# Altium PCB BEAGLEPLAYV020_220915.brd.PcbDoc (part 2 of 12) (continued)
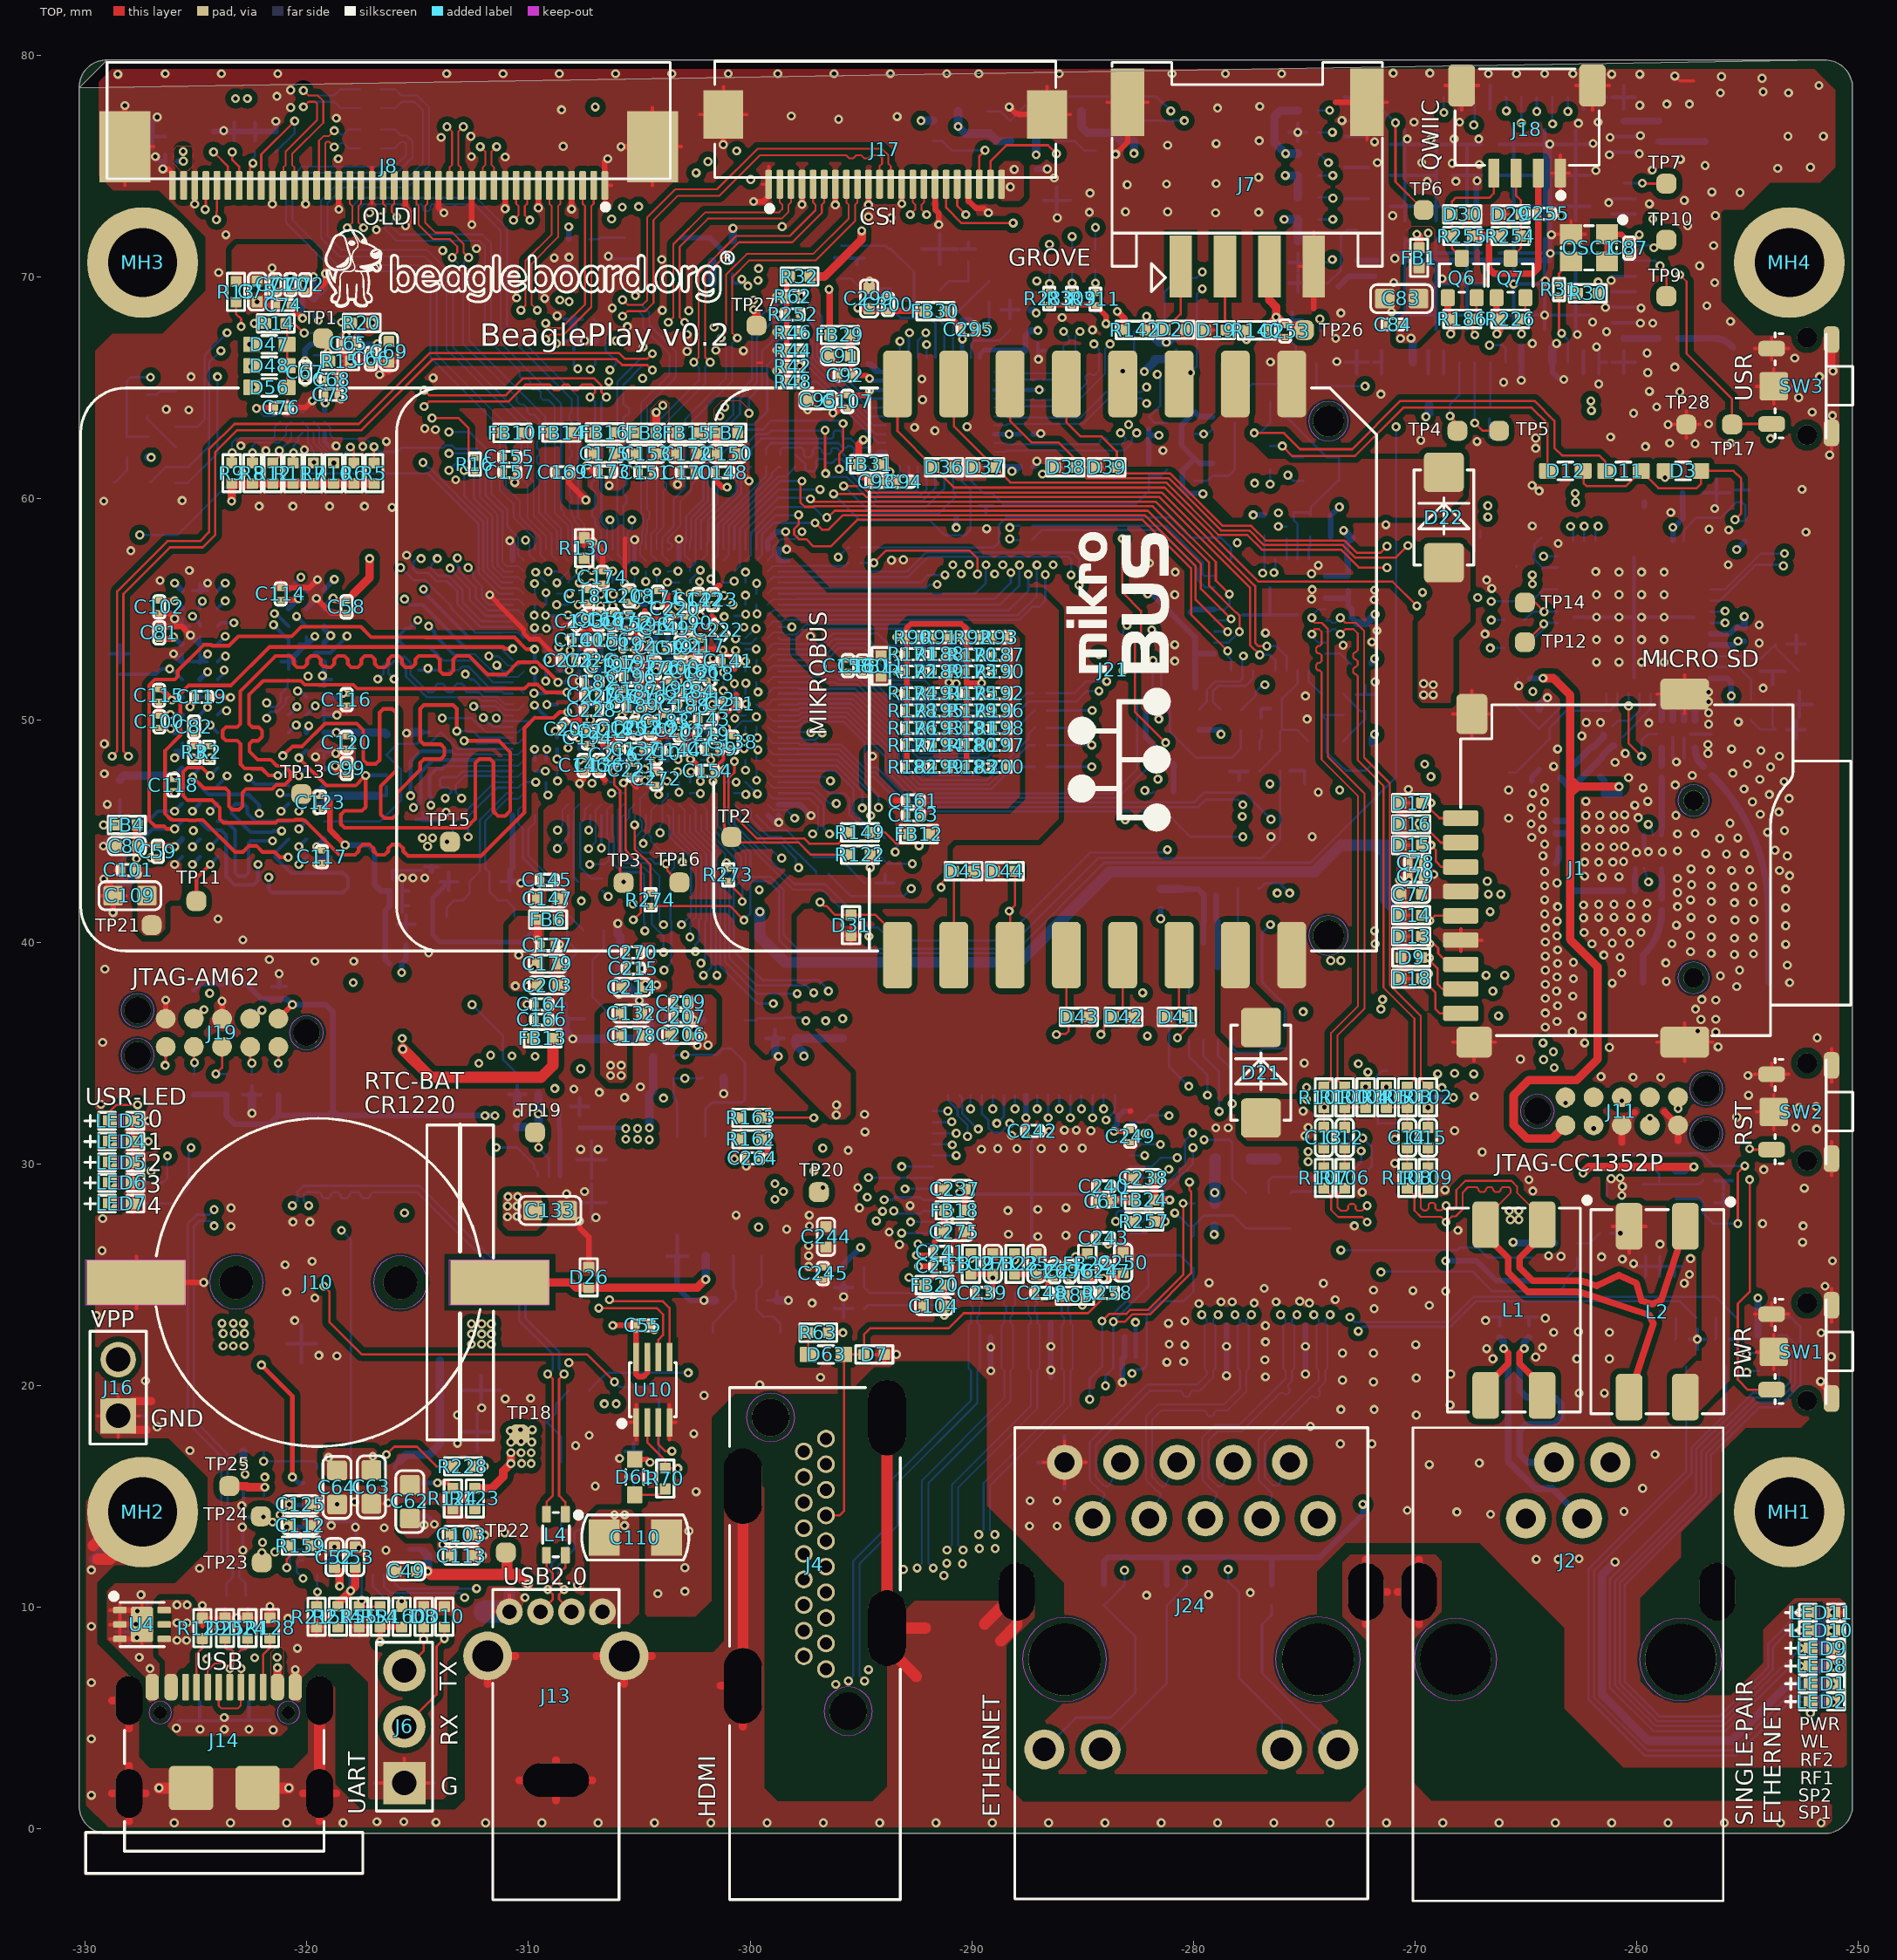
[diagram p0: TOP view]
## Components (designator, comment, footprint, x,y, rotation, side; value= is the part's Value field where it differs from the comment) (continued)
TP5 "TEST POINT_TP35S_SMD_DISCRETE_TEST POINT" TP35S_SMD -266.217,63.068 r180 top
TP6 "TEST POINT_TP35S_SMD_DISCRETE_TEST POINT" TP35S_SMD -269.621,73.025 r0 top
TP7 "TEST POINT_TP35S_SMD_DISCRETE_TEST POINT" TP35S_SMD -258.669,74.216 r0 top
TP8 "TEST POINT_TP30C_SMD_DISCRETE_TEST POINT" TP30C_SMD -295.918,69.943 r180 bottom
TP9 "TEST POINT_TP35S_SMD_DISCRETE_TEST POINT" TP35S_SMD -258.669,69.136 r0 top
TP10 "TEST POINT_TP35S_SMD_DISCRETE_TEST POINT" TP35S_SMD -258.669,71.676 r0 top
TP11 "TEST POINT_TP35S_SMD_DISCRETE_TEST POINT" TP35S_SMD -324.982,41.855 r90 top
TP12 "TEST POINT_TP35S_SMD_DISCRETE_TEST POINT" TP35S_SMD -265.054,53.531 r90 top
TP13 "TEST POINT_TP35S_SMD_DISCRETE_TEST POINT" TP35S_SMD -320.243,46.685 r90 top
TP14 "TEST POINT_TP35S_SMD_DISCRETE_TEST POINT" TP35S_SMD -265.054,55.323 r270 top
TP15 "TEST POINT_TP35S_SMD_DISCRETE_TEST POINT" TP35S_SMD -313.538,44.526 r90 top
TP16 "TEST POINT_TP35S_SMD_DISCRETE_TEST POINT" TP35S_SMD -303.188,42.696 r90 top
TP17 "TEST POINT_TP35S_SMD_DISCRETE_TEST POINT" TP35S_SMD -255.707,63.35 r180 top
TP18 "TEST POINT_TP35S_SMD_DISCRETE_TEST POINT" TP35S_SMD -310.413,17.805 r90 top
TP19 "TEST POINT_TP35S_SMD_DISCRETE_TEST POINT" TP35S_SMD -309.702,31.42 r270 top
TP20 "TEST POINT_TP35S_SMD_DISCRETE_TEST POINT" TP35S_SMD -296.901,28.727 r0 top
TP21 "TEST POINT_TP35S_SMD_DISCRETE_TEST POINT" TP35S_SMD -327,40.767 r90 top
TP22 "TEST POINT_TP35S_SMD_DISCRETE_TEST POINT" TP35S_SMD -311.023,12.471 r90 top
TP23 "TEST POINT_TP35S_SMD_DISCRETE_TEST POINT" TP35S_SMD -322.03,12.022 r90 top
TP24 "TEST POINT_TP35S_SMD_DISCRETE_TEST POINT" TP35S_SMD -322.071,14.105 r90 top
TP25 "TEST POINT_TP35S_SMD_DISCRETE_TEST POINT" TP35S_SMD -323.494,15.469 r90 top
TP26 "TEST POINT_TP35S_SMD_DISCRETE_TEST POINT" TP35S_SMD -275.011,67.607 r0 top
TP27 "TEST POINT_TP35S_SMD_DISCRETE_TEST POINT" TP35S_SMD -299.715,67.81 r0 top
TP28 "TEST POINT_TP35S_SMD_DISCRETE_TEST POINT" TP35S_SMD -257.773,63.35 r180 top
U1 "AM62X_BGA425_BGA425_0D5_13X13MM_IC_AM62X" BGA425_0D5_13X13MM -304.711,51.719 r0 bottom
U2 "DDR4_FBGA96_BGA96_T9_P8_10_3X13_3_IC_16GBIT" BGA96_T9_P8_10_3X13_3 -322.419,49.865 r180 bottom
U3 "EMMC_1_BGA153_P14_P5_11P5X13_IC_(S1+S2)_EMMC16G-TB29-PZ90" BGA153_P14_P5_11P5X13 -318.443,66.225 r0 bottom
U4 "TVS0500DRVR_WSON6_0D65_2X2X0_8MM_DISCRETE_TVS0500DRVR" WSON6_0D65_2X2X0_8MM#1 -327.435,9.224 r0 top
U5 "WL1807MOD_E-13_4X13_3-N100_0_75-TOP_IC_WL1807MODGIMOC" E-13_4X13_3-N100_0_75-TOP -266.615,72.136 r0 bottom
U6 "RTL8211_QFN40_0D4_5X5MM_IC_RTL8211F-VD-CG" QFN40_0D4_5X5MM -291.443,63.917 r180 bottom
U7 "IT66121_QFN64_QFN64_0D5_9X9MM_IC_IT66121FN" QFN64_0D5_9X9MM -287.305,28.631 r180 bottom
U8 "TPD3S014D_SOT23-6_SOT23_6_IC_TPD3S014DBVR" SOT23_6#1 -307.581,15.414 r0 bottom
U9 "CC1352P1F3RGZ_QFN48_0D5_7X7MM_IC_CC1352P7" QFN48_0D5_7X7MM -260.127,54.655 r270 bottom
U10 "SN74LVC2G241_U_8_DCU_IC_SN74LVC2G241DCUR" U_8_DCU -304.391,19.816 r0 top
U11 "ADC102S051_VSSOP8_0D65_3X3X1_1MM_IC_ADC102S051" VSSOP8_0D65_3X3X1_1MM -279.223,37.779 r0 bottom
U12 "TLV62595DMQR_VSON6_0D5_1D5X1D5X1MM_IC_TLV62595DMQR" VSON6_0D5_1D5X1D5X1MM -309.293,28.918 r90 bottom
U13 "DP83TD510E_VQFN32_0D5_5X5MM_IC_DP83TD510ERHBR" VQFN32_0D5_5X5MM -276.555,54.762 r90 bottom
U14 "TVS0500DRVR_WSON6_0D65_2X2X0_8MM_DISCRETE_TVS0500DRVR" WSON6_0D65_2X2X0_8MM#2 -258.96,26.379 r270 bottom
U15 "SKY13317-373LF_SON8P_150X150X50MM_IC_SKY13317-373LF" SON8P_150X150X50MM -259.467,44.099 r180 bottom
U16 "LDO_5P_FB_EN_SOT23-5_IC_TLV75801PDBVR" SOT23-5#1 -304.364,70.824 r270 bottom
U17 "TPS65219_QFN32_5X5MM_TPS65219_IC_TPS65219" QFN32_5X5MM_TPS65219 -317.772,13.863 r180 bottom
U18 "DS1339_8P_SOIC8_1D27_4_9X3_9MM_IC_BQ32002" SOIC8_1D27_4_9X3_9MM -301.388,28.546 r180 bottom
U20 "MEM_24LC32_SOT23-5_SOT23-5_IC_FT24C32A-ELRT" SOT23-5#2 -301.192,35.177 r180 bottom
U21 "TPS22918DBV_SOT23_6_IC_TPS22918DBVR" SOT23_6#2 -272.419,35.141 r90 bottom
U22 "TPS25200DRV_WSON6_0D65_2X2X0_8MM_IC_TPS25200DRVT" WSON6_0D65_2X2X0_8MM#3 -263.703,26.43 r180 bottom
X2 "XTAL_4P_X4-SMD-2_5X2_0X1_0MM_DISCRETE_25MHZ" X4-SMD-2_5X2_0X1_0MM -274.045,48.462 r180 bottom
X3 "XTAL_2P_X2_SMD_3_2X1_5MM_DISCRETE_32.768KHZ" X2_SMD_3_2X1_5MM#1 -265.772,49.178 r270 bottom
X4 "XTAL_4P_X4_SMD_2_0X1_6MM_DISCRETE_48MHZ" X4_SMD_2_0X1_6MM -253.279,51.479 r270 bottom
X5 "XTAL_2P_X2_SMD_3_2X1_5MM_DISCRETE_32.768KHZ" X2_SMD_3_2X1_5MM#2 -312.166,41.166 r180 bottom
X6 "XTAL_4P_X4-SMD-3_2X2_5X1_0MM_DISCRETE_25MHZ" X4-SMD-3_2X2_5X1_0MM -307.161,37.472 r180 bottom
X7 "XTAL_2P_X2_SMD_3_2X1_5MM_DISCRETE_32.768KHZ" X2_SMD_3_2X1_5MM#2 -300.163,22.407 r0 bottom
Y2 "XTAL_4P_2_X4-SMD-3_2X2_5X1_0MM_DISCRETE_25MHZ" X4-SMD-3_2X2_5X1_0MM -292.592,70.341 r0 bottom

## Footprints (in the part's own frame and the unit in brackets; to place one, negate y for a bottom-side part, rotate by r counter-clockwise, add the part's x,y. Pads: shape width x height; smd on the part's side, far side on the other; paste and mask are expansions set on the pad)
BAT-CR1220 [mil] "BAT-CR1220"
  rect 80x176 smd: 1(0,322.83) 2(0,-322.83)
  round 60 hole 60 unplated: ""(0,145.67) ""(0,-145.67)
  TOP keep-out region: -39.37,-232.28 -39.37,-409.45 39.37,-409.45 39.37,-232.28
  TOP keep-out region: -39.37,413.39 -39.37,236.22 39.37,236.22 39.37,413.39
  Multi-Layer keep-out region: 0,-193.32 12.33,-191.69 23.82,-186.93 33.69,-179.36 41.26,-169.49 46.02,-158 47.65,-145.67 46.02,-133.34 41.26,-121.85 41.26,-121.85 33.69,-111.98 23.82,-104.4 12.33,-99.64 0,-98.02 -12.33,-99.64 -23.82,-104.4 -33.69,-111.98 -41.26,-121.85 -41.26,-121.85 -46.02,-133.34 -47.65,-145.67 -46.02,-158 -41.26,-169.49 -33.69,-179.36 -23.82,-186.93 -12.33,-191.69 0,-193.32
  Multi-Layer keep-out region: 0,98.02 12.33,99.65 23.82,104.41 33.69,111.98 41.26,121.85 46.02,133.34 47.65,145.67 46.02,158 41.26,169.49 41.26,169.49 33.69,179.36 23.82,186.93 12.33,191.69 0,193.32 -12.33,191.69 -23.82,186.93 -33.69,179.36 -41.26,169.49 -41.26,169.49 -46.02,158 -47.65,145.67 -46.02,133.34 -41.26,121.85 -33.69,111.98 -23.82,104.41 -12.33,99.65 0,98.02
  silkscreen extent -291,-311 291,288, body extent -335,-421 335,421, height 150
BF10_0D5_2X1D25X1MM [mm] "BF10_0D5_2X1D25X1MM"
  rrect50% 0.6x0.3 smd: 1(0.625,-0.75) 2(0.625,-0.25) 3(0.625,0.25) 4(0.625,0.75) 6(-0.625,0.75) 7(-0.625,0.25) 8(-0.625,-0.25) 9(-0.625,-0.75)
  rrect50% 0.3x0.6 smd: 5(0,1) 10(0,-1)
  silkscreen extent -0.76,-1.14 0.76,1.14, body extent -0.76,-1.14 0.76,1.14, height 3.81
BGA96_T9_P8_10_3X13_3 [mil] "BGA96_T9_P8_10_3X13_3"
  round 14 smd: A1(-126,235.75) A2(-94.5,235.75) A3(-63,235.75) A7(63,235.75) A8(94.5,235.75) A9(126,235.75) B1(-126,204.25) B2(-94.5,204.25) B3(-63,204.25) B7(63,204.25) B8(94.5,204.25) B9(126,204.25) C1(-126,172.75) C2(-94.5,172.75) C3(-63,172.75) C7(63,172.75) C8(94.5,172.75) C9(126,172.75) D1(-126,141.25) D2(-94.5,141.25) D3(-63,141.25) D7(63,141.25) D8(94.5,141.25) D9(126,141.25) E1(-126,109.75) E2(-94.5,109.75) E3(-63,109.75) E7(63,109.75) E8(94.5,109.75) E9(126,109.75) F1(-126,78.25) F2(-94.5,78.25) F3(-63,78.25) F7(63,78.25) F8(94.5,78.25) F9(126,78.25) G1(-126,46.75) G2(-94.5,46.75) G3(-63,46.75) G7(63,46.75) G8(94.5,46.75) G9(126,46.75) H1(-126,15.25) H2(-94.5,15.25) H3(-63,15.25) H7(63,15.25) H8(94.5,15.25) H9(126,15.25) J1(-126,-16.25) J2(-94.5,-16.25) J3(-63,-16.25) J7(63,-16.25) J8(94.5,-16.25) J9(126,-16.25) K1(-126,-47.75) K2(-94.5,-47.75) K3(-63,-47.75) K7(63,-47.75) K8(94.5,-47.75) K9(126,-47.75) L1(-126,-79.25) L2(-94.5,-79.25) L3(-63,-79.25) L7(63,-79.25) L8(94.5,-79.25) L9(126,-79.25) M1(-126,-110.75) M2(-94.5,-110.75) M3(-63,-110.75) M7(63,-110.75) M8(94.5,-110.75) M9(126,-110.75) N1(-126,-142.25) N2(-94.5,-142.25) N3(-63,-142.25) N7(63,-142.25) N8(94.5,-142.25) N9(126,-142.25) P1(-126,-173.75) P2(-94.5,-173.75) P3(-63,-173.75) P7(63,-173.75) P8(94.5,-173.75) P9(126,-173.75) R1(-126,-205.25) R2(-94.5,-205.25) R3(-63,-205.25) R7(63,-205.25) R8(94.5,-205.25) R9(126,-205.25) T1(-126,-236.75) T2(-94.5,-236.75) T3(-63,-236.75) T7(63,-236.75) T8(94.5,-236.75) T9(126,-236.75)
  silkscreen extent -225,-276 206,342, body extent -206,-266 206,266, height 150
BGA153_P14_P5_11P5X13 [mil] "BGA153_P14_P5_11P5X13"
  round 10 smd: A1(-127.95,127.95) A2(-108.27,127.95) A3(-88.58,127.95) A4(-68.9,127.95) A5(-49.21,127.95) A6(-29.53,127.95) A7(-9.84,127.95) A8(9.84,127.95) A9(29.53,127.95) A10(49.21,127.95) A11(68.9,127.95) A12(88.58,127.95) A13(108.27,127.95) A14(127.95,127.95) B1(-127.95,108.27) B2(-108.27,108.27) B3(-88.58,108.27) B4(-68.9,108.27) B5(-49.21,108.27) B6(-29.53,108.27) B7(-9.84,108.27) B8(9.84,108.27) B9(29.53,108.27) B10(49.21,108.27) B11(68.9,108.27) B12(88.58,108.27) B13(108.27,108.27) B14(127.95,108.27) C1(-127.95,88.58) C2(-108.27,88.58) C3(-88.58,88.58) C4(-68.9,88.58) C5(-49.21,88.58) C6(-29.53,88.58) C7(-9.84,88.58) C8(9.84,88.58) C9(29.53,88.58) C10(49.21,88.58) C11(68.9,88.58) C12(88.58,88.58) C13(108.27,88.58) C14(127.95,88.58) D1(-127.95,68.9) D2(-108.27,68.9) D3(-88.58,68.9) D4(-68.9,68.9) D12(88.58,68.9) D13(108.27,68.9) D14(127.95,68.9) E1(-127.95,49.21) E2(-108.27,49.21) E3(-88.58,49.21) E5(-49.21,49.21) E6(-29.53,49.21) E7(-9.84,49.21) E8(9.84,49.21) E9(29.53,49.21) E10(49.21,49.21) E12(88.58,49.21) E13(108.27,49.21) E14(127.95,49.21) F1(-127.95,29.53) F2(-108.27,29.53) F3(-88.58,29.53) F5(-49.21,29.53) F10(49.21,29.53) F12(88.58,29.53) F13(108.27,29.53) F14(127.95,29.53) G1(-127.95,9.84) G2(-108.27,9.84) G3(-88.58,9.84) G5(-49.21,9.84) G10(49.21,9.84) G12(88.58,9.84) G13(108.27,9.84) G14(127.95,9.84) H1(-127.95,-9.84) H2(-108.27,-9.84) H3(-88.58,-9.84) H5(-49.21,-9.84) H10(49.21,-9.84) H12(88.58,-9.84) H13(108.27,-9.84) H14(127.95,-9.84) J1(-127.95,-29.53) J2(-108.27,-29.53) J3(-88.58,-29.53) J5(-49.21,-29.53) J10(49.21,-29.53) J12(88.58,-29.53) J13(108.27,-29.53) J14(127.95,-29.53) K1(-127.95,-49.21) K2(-108.27,-49.21) K3(-88.58,-49.21) K5(-49.21,-49.21) K6(-29.53,-49.21) K7(-9.84,-49.21) K8(9.84,-49.21) K9(29.53,-49.21) K10(49.21,-49.21) K12(88.58,-49.21) K13(108.27,-49.21) K14(127.95,-49.21) L1(-127.95,-68.9) L2(-108.27,-68.9) L3(-88.58,-68.9) L12(88.58,-68.9) L13(108.27,-68.9) L14(127.95,-68.9) M1(-127.95,-88.58) M2(-108.27,-88.58) M3(-88.58,-88.58) M4(-68.9,-88.58) M5(-49.21,-88.58) M6(-29.53,-88.58) M7(-9.84,-88.58) M8(9.84,-88.58) M9(29.53,-88.58) M10(49.21,-88.58) M11(68.9,-88.58) M12(88.58,-88.58) M13(108.27,-88.58) M14(127.95,-88.58) N1(-127.95,-108.27) N2(-108.27,-108.27) N3(-88.58,-108.27) N4(-68.9,-108.27) N5(-49.21,-108.27) N6(-29.53,-108.27) N7(-9.84,-108.27) N8(9.84,-108.27) N9(29.53,-108.27) N10(49.21,-108.27) N11(68.9,-108.27) N12(88.58,-108.27) N13(108.27,-108.27) N14(127.95,-108.27) P1(-127.95,-127.95) P2(-108.27,-127.95) P3(-88.58,-127.95) P4(-68.9,-127.95) P5(-49.21,-127.95) P6(-29.53,-127.95) P7(-9.84,-127.95) P8(9.84,-127.95) P9(29.53,-127.95) P10(49.21,-127.95) P11(68.9,-127.95) P12(88.58,-127.95) P13(108.27,-127.95) P14(127.95,-127.95)
  silkscreen extent -245,-256 226,275, body extent -226,-256 226,256, height 150
BGA425_0D5_13X13MM [mil] "BGA425_0D5_13X13MM"
  round 10 smd: A1(-236.22,236.22) A2(-216.54,236.22) A3(-196.85,236.22) A4(-177.16,236.22) A5(-157.48,236.22) A6(-137.8,236.22) A7(-118.11,236.22) A8(-98.42,236.22) A9(-78.74,236.22) A10(-59.06,236.22) A11(-39.37,236.22) A12(-19.68,236.22) A13(0,236.22) A14(19.68,236.22) A15(39.37,236.22) A16(59.06,236.22) A17(78.74,236.22) A18(98.42,236.22) A19(118.11,236.22) A20(137.8,236.22) A21(157.48,236.22) A22(177.16,236.22) A23(196.85,236.22) A24(216.54,236.22) A25(236.22,236.22) AA1(-236.22,-157.48) AA2(-216.54,-157.48) AA3(-196.85,-157.48) AA5(-157.48,-157.48) AA7(-118.11,-157.48) AA8(-98.42,-157.48) AA11(-39.37,-157.48) AA12(-19.68,-157.48) AA14(19.68,-157.48) AA15(39.37,-157.48) AA18(98.42,-157.48) AA19(118.11,-157.48) AA21(157.48,-157.48) AA23(196.85,-157.48) AA24(216.54,-157.48) AA25(236.22,-157.48) AB1(-236.22,-177.16) AB2(-216.54,-177.16) AB4(-177.16,-177.16) AB6(-137.8,-177.16) AB9(-78.74,-177.16) AB10(-59.06,-177.16) AB12(-19.68,-177.16) AB14(19.68,-177.16) AB16(59.06,-177.16) AB17(78.74,-177.16) AB20(137.8,-177.16) AB22(177.16,-177.16) AB24(216.54,-177.16) AB25(236.22,-177.16) AC1(-236.22,-196.85) AC2(-216.54,-196.85) AC5(-157.48,-196.85) AC6(-137.8,-196.85) AC9(-78.74,-196.85) AC11(-39.37,-196.85) AC13(0,-196.85) AC15(39.37,-196.85) AC17(78.74,-196.85) AC20(137.8,-196.85) AC21(157.48,-196.85) AC24(216.54,-196.85) AC25(236.22,-196.85) AD1(-236.22,-216.54) AD2(-216.54,-216.54) AD3(-196.85,-216.54) AD4(-177.16,-216.54) AD5(-157.48,-216.54) AD6(-137.8,-216.54) AD7(-118.11,-216.54) AD8(-98.42,-216.54) AD9(-78.74,-216.54) AD10(-59.06,-216.54) AD11(-39.37,-216.54) AD12(-19.68,-216.54) AD13(0,-216.54) AD14(19.68,-216.54) AD15(39.37,-216.54) AD16(59.06,-216.54) AD17(78.74,-216.54) AD18(98.42,-216.54) AD19(118.11,-216.54) AD20(137.8,-216.54) AD21(157.48,-216.54) AD22(177.16,-216.54) AD23(196.85,-216.54) AD24(216.54,-216.54) AD25(236.22,-216.54) AE1(-236.22,-236.22) AE2(-216.54,-236.22) AE3(-196.85,-236.22) AE4(-177.16,-236.22) AE5(-157.48,-236.22) AE6(-137.8,-236.22) AE7(-118.11,-236.22) AE8(-98.42,-236.22) AE9(-78.74,-236.22) AE10(-59.06,-236.22) AE11(-39.37,-236.22) AE12(-19.68,-236.22) AE13(0,-236.22) AE14(19.68,-236.22) AE15(39.37,-236.22) AE16(59.06,-236.22) AE17(78.74,-236.22) AE18(98.42,-236.22) AE19(118.11,-236.22) AE20(137.8,-236.22) AE21(157.48,-236.22) AE22(177.16,-236.22) AE23(196.85,-236.22) AE24(216.54,-236.22) AE25(236.22,-236.22) B1(-236.22,216.54) B2(-216.54,216.54) B3(-196.85,216.54) B4(-177.16,216.54) B5(-157.48,216.54) B6(-137.8,216.54) B7(-118.11,216.54) B8(-98.42,216.54) B9(-78.74,216.54) B10(-59.06,216.54) B11(-39.37,216.54) B12(-19.68,216.54) B13(0,216.54) B14(19.68,216.54) B15(39.37,216.54) B16(59.06,216.54) B17(78.74,216.54) B18(98.42,216.54) B19(118.11,216.54) B20(137.8,216.54) B21(157.48,216.54) B22(177.16,216.54) B23(196.85,216.54) B24(216.54,216.54) B25(236.22,216.54) C1(-236.22,196.85) C2(-216.54,196.85) C5(-157.48,196.85) C6(-137.8,196.85) C9(-78.74,196.85) C11(-39.37,196.85) C13(0,196.85) C15(39.37,196.85) C17(78.74,196.85) C20(137.8,196.85) C21(157.48,196.85) C24(216.54,196.85) C25(236.22,196.85) D1(-236.22,177.16) D2(-216.54,177.16) D4(-177.16,177.16) D6(-137.8,177.16) D9(-78.74,177.16) D10(-59.06,177.16) D12(-19.68,177.16) D14(19.68,177.16) D16(59.06,177.16) D17(78.74,177.16) D20(137.8,177.16) D22(177.16,177.16) D24(216.54,177.16) D25(236.22,177.16) E1(-236.22,157.48) E2(-216.54,157.48) E3(-196.85,157.48) E5(-157.48,157.48) E7(-118.11,157.48) E8(-98.42,157.48) E11(-39.37,157.48) E12(-19.68,157.48) E14(19.68,157.48) E15(39.37,157.48) E18(98.42,157.48) E19(118.11,157.48) E21(157.48,157.48) E23(196.85,157.48) E24(216.54,157.48) E25(236.22,157.48) F1(-236.22,137.8) F2(-216.54,137.8) F3(-196.85,137.8) F4(-177.16,137.8) F6(-137.8,137.8) F8(-98.42,137.8) F11(-39.37,137.8) F13(0,137.8) F15(39.37,137.8) F18(98.42,137.8) F20(137.8,137.8) F22(177.16,137.8) F23(196.85,137.8) F24(216.54,137.8) F25(236.22,137.8) G1(-236.22,118.11) G2(-216.54,118.11) G5(-157.48,118.11) G7(-118.11,118.11) G9(-78.74,118.11) G10(-59.06,118.11) G12(-19.68,118.11) G13(0,118.11) G14(19.68,118.11) G16(59.06,118.11) G17(78.74,118.11) G19(118.11,118.11) G21(157.48,118.11) G24(216.54,118.11) G25(236.22,118.11) H1(-236.22,98.42) H2(-216.54,98.42) H5(-157.48,98.42) H6(-137.8,98.42) H8(-98.42,98.42) H9(-78.74,98.42) H10(-59.06,98.42) H11(-39.37,98.42) H13(0,98.42) H15(39.37,98.42) H16(59.06,98.42) H17(78.74,98.42) H18(98.42,98.42) H20(137.8,98.42) H21(157.48,98.42) H24(216.54,98.42) H25(236.22,98.42) J1(-236.22,78.74) J2(-216.54,78.74) J3(-196.85,78.74) J4(-177.16,78.74) J7(-118.11,78.74) J8(-98.42,78.74) J11(-39.37,78.74) J12(-19.68,78.74) J13(0,78.74) J14(19.68,78.74) J18(98.42,78.74) J19(118.11,78.74) J22(177.16,78.74) J23(196.85,78.74) J24(216.54,78.74) J25(236.22,78.74) K1(-236.22,59.06) K2(-216.54,59.06) K3(-196.85,59.06) K4(-177.16,59.06) K7(-118.11,59.06) K9(-78.74,59.06) K10(-59.06,59.06) K13(0,59.06) K15(39.37,59.06) K16(59.06,59.06) K17(78.74,59.06) K18(98.42,59.06) K19(118.11,59.06) K22(177.16,59.06) K24(216.54,59.06) K25(236.22,59.06) L1(-236.22,39.37) L2(-216.54,39.37) L5(-157.48,39.37) L6(-137.8,39.37) L8(-98.42,39.37) L11(-39.37,39.37) L12(-19.68,39.37) L14(19.68,39.37) L15(39.37,39.37) L18(98.42,39.37) L20(137.8,39.37) L21(157.48,39.37) L23(196.85,39.37) L24(216.54,39.37) L25(236.22,39.37) M1(-236.22,19.68) M2(-216.54,19.68) M4(-177.16,19.68) M5(-157.48,19.68) M7(-118.11,19.68) M8(-98.42,19.68) M9(-78.74,19.68) M10(-59.06,19.68) M12(-19.68,19.68) M13(0,19.68) M16(59.06,19.68) M17(78.74,19.68) M18(98.42,19.68) M19(118.11,19.68) M21(157.48,19.68) M22(177.16,19.68) M24(216.54,19.68) M25(236.22,19.68) N1(-236.22,0) N2(-216.54,0) N3(-196.85,0) N6(-137.8,0) N8(-98.42,0) N11(-39.37,0) N12(-19.68,0) N13(0,0) N14(19.68,0) N15(39.37,0) N18(98.42,0) N20(137.8,0) N23(196.85,0) N24(216.54,0) N25(236.22,0) P1(-236.22,-19.68) P2(-216.54,-19.68) P4(-177.16,-19.68) P5(-157.48,-19.68) P7(-118.11,-19.68) P9(-78.74,-19.68) P10(-59.06,-19.68) P13(0,-19.68) P16(59.06,-19.68) P17(78.74,-19.68) P18(98.42,-19.68) P19(118.11,-19.68) P21(157.48,-19.68) P22(177.16,-19.68) P24(216.54,-19.68) P25(236.22,-19.68) R1(-236.22,-39.37) R2(-216.54,-39.37) R3(-196.85,-39.37) R5(-157.48,-39.37) R6(-137.8,-39.37) R8(-98.42,-39.37) R11(-39.37,-39.37) R12(-19.68,-39.37) R13(0,-39.37) R14(19.68,-39.37) R15(39.37,-39.37) R18(98.42,-39.37) R20(137.8,-39.37) R21(157.48,-39.37) R23(196.85,-39.37) R24(216.54,-39.37) R25(236.22,-39.37) T1(-236.22,-59.06) T2(-216.54,-59.06) T4(-177.16,-59.06) T7(-118.11,-59.06) T8(-98.42,-59.06) T9(-78.74,-59.06) T10(-59.06,-59.06) T13(0,-59.06) T14(19.68,-59.06) T16(59.06,-59.06) T17(78.74,-59.06) T18(98.42,-59.06) T19(118.11,-59.06) T22(177.16,-59.06) T24(216.54,-59.06) T25(236.22,-59.06) U1(-236.22,-78.74) U2(-216.54,-78.74) U3(-196.85,-78.74) U4(-177.16,-78.74) U7(-118.11,-78.74) U8(-98.42,-78.74) U11(-39.37,-78.74) U12(-19.68,-78.74) U14(19.68,-78.74) U15(39.37,-78.74) U18(98.42,-78.74) U19(118.11,-78.74) U22(177.16,-78.74) U23(196.85,-78.74) U24(216.54,-78.74) U25(236.22,-78.74) V1(-236.22,-98.42) V2(-216.54,-98.42) V5(-157.48,-98.42) V6(-137.8,-98.42) V8(-98.42,-98.42) V9(-78.74,-98.42) V10(-59.06,-98.42) V11(-39.37,-98.42) V13(0,-98.42) V15(39.37,-98.42) V16(59.06,-98.42) V17(78.74,-98.42) V18(98.42,-98.42) V20(137.8,-98.42) V21(157.48,-98.42) V24(216.54,-98.42) V25(236.22,-98.42) W1(-236.22,-118.11) W2(-216.54,-118.11) W5(-157.48,-118.11) W7(-118.11,-118.11) W9(-78.74,-118.11) W10(-59.06,-118.11) W12(-19.68,-118.11) W13(0,-118.11) W14(19.68,-118.11) W16(59.06,-118.11) W17(78.74,-118.11) W19(118.11,-118.11) W21(157.48,-118.11) W24(216.54,-118.11) W25(236.22,-118.11) Y1(-236.22,-137.8) Y2(-216.54,-137.8) Y3(-196.85,-137.8) Y4(-177.16,-137.8) Y6(-137.8,-137.8) Y8(-98.42,-137.8) Y11(-39.37,-137.8) Y13(0,-137.8) Y15(39.37,-137.8) Y18(98.42,-137.8) Y20(137.8,-137.8) Y22(177.16,-137.8) Y23(196.85,-137.8) Y24(216.54,-137.8) Y25(236.22,-137.8)
  silkscreen extent -297,-297 297,297, body extent -255,-255 255,255, height 150
BUTTON2_3P_4D55X2D3X1D88MM [mil] "BUTTON2_3P_4D55X2D3X1D88MM"
  rrect57% 27.56x47.24 smd: 1(-66.93,-67.99) 2(66.93,-67.99)
  rrect57% 47.24x27.56 smd: S1(-82.68,38.31) S3(82.68,38.31)
  rrect16% 50x50 smd: S2(0,-64.06)
  round 35.43 hole 35.43 unplated: ""(-86.61,-5) ""(86.61,-5)
  silkscreen extent -95,-62 93,76, body extent -115,-80 115,80, height 150
C0201#1 [mil] "C0201"
  rrect50% 11x12.5 smd: 1(-11,0) 2(11,0)
  silkscreen extent -20,-10 20,10, body extent -15,-10 15,10, height 150
C0201#2 [mil] "C0201"
  rrect50% 11x12.5 smd: 1(11,0) 2(-11,0)
  silkscreen extent -20,-10 20,10, body extent -15,-10 15,10, height 150
C0201#3 [mil] "C0201"
  rrect50% 12.5x11 smd: 1(-0.01,11) 2(-0.01,-11.01)
  silkscreen extent -10,-20 10,20, body extent -15,-10 15,10, height 150
C0201#4 [mil] "C0201"
  rrect50% 12.5x11 smd: 1(0,-11) 2(0,11)
  silkscreen extent -10,-20 10,20, body extent -15,-10 15,10, height 150
C0201#5 [mil] "C0201"
  rrect36% 11x12.5 smd: 1(-11,0) 2(11,0)
  silkscreen extent -20,-10 20,10
C0402#1 [mm] "C0402"
  rrect50% 0.5x0.5 smd: 1(0.463,0) 2(-0.463,0)
  silkscreen extent -0.84,-0.39 0.84,0.39
C0402#2 [mm] "C0402"
  rrect50% 0.5x0.5 smd: 1(-0.463,0) 2(0.463,0)
  silkscreen extent -0.84,-0.39 0.84,0.39, body extent -0.76,-0.38 0.76,0.38, height 3.81
C0402#3 [mm] "C0402"
  rrect20% 0.5x0.5 smd: 1(-0.463,0) 2(0.463,0)
  silkscreen extent -0.84,-0.39 0.84,0.39, body extent -0.76,-0.38 0.76,0.38, height 3.81
C0603#1 [mil] "C0603"
  rrect50% 35x35 smd: 1(-30,0) 2(30,0)
  silkscreen extent -55,-25 55,25, body extent -55,-25 55,25, height 150
C0603#2 [mil] "C0603"
  rrect23% 35x35 smd: 1(-30,0) 2(30,0)
  silkscreen extent -55,-25 55,25, body extent -55,-25 55,25, height 150
C0805#1 [mil] "C0805"
  rrect50% 40x55 smd: 1(-35,0) 2(35,0)
  silkscreen extent -65,-35 65,35, body extent -65,-35 65,35, height 150
C0805#2 [mil] "C0805"
  rrect50% 40x55 smd: 1(35,0) 2(-35,0)
  silkscreen extent -65,-35 65,35, body extent -65,-35 65,35, height 150
C1206#1 [mil] "C1206"
  rect 55x64 smd: 1(55.5,0) 2(-55.5,0)
  silkscreen extent -95,-40 95,40, body extent -95,-40 95,40, height 150
C1206#2 [mil] "C1206"
  rect 55x64 smd: 1(-55.5,0) 2(55.5,0)
  silkscreen extent -95,-40 95,40, body extent -95,-40 95,40, height 150
CONNECT10_1D27_12_4X6_7MM [mm] "CONNECT10_1D27_12_4X6_7MM"
  round 0.89 smd: 1(-2.54,-0.572) 2(-1.27,-0.572) 3(0,-0.572) 4(1.27,-0.572) 5(2.54,-0.572) 6(2.54,0.699) 7(1.27,0.699) 8(0,0.699) 9(-1.27,0.699) 10(-2.54,0.699)
  round 1.2 hole 1.2 unplated: ""(-3.81,0.064) ""(3.81,-0.951) ""(3.81,1.078)
  Multi-Layer keep-out region: 4.556,-0.951 4.531,-0.758 4.456,-0.578 4.338,-0.424 4.183,-0.305 4.003,-0.231 3.81,-0.205 3.617,-0.231 3.437,-0.305 3.437,-0.305 3.282,-0.424 3.164,-0.578 3.089,-0.758 3.064,-0.951 3.089,-1.145 3.164,-1.325 3.282,-1.479 3.437,-1.598 3.437,-1.598 3.617,-1.672 3.81,-1.698 4.003,-1.672 4.183,-1.598 4.338,-1.479 4.456,-1.325 4.531,-1.145 4.556,-0.951
  Multi-Layer keep-out region: 4.558,1.078 4.532,1.272 4.458,1.452 4.339,1.607 4.184,1.726 4.004,1.801 3.81,1.826 3.616,1.801 3.436,1.726 3.436,1.726 3.281,1.607 3.162,1.452 3.088,1.272 3.062,1.078 3.088,0.885 3.162,0.705 3.281,0.55 3.436,0.431 3.436,0.431 3.616,0.356 3.81,0.331 4.004,0.356 4.184,0.431 4.339,0.55 4.458,0.705 4.532,0.885 4.558,1.078
  Multi-Layer keep-out region: -3.041,0.064 -3.068,0.262 -3.144,0.448 -3.267,0.607 -3.426,0.729 -3.611,0.806 -3.81,0.832 -4.009,0.806 -4.194,0.729 -4.194,0.729 -4.353,0.607 -4.476,0.448 -4.552,0.262 -4.579,0.064 -4.552,-0.135 -4.476,-0.321 -4.353,-0.48 -4.194,-0.602 -4.194,-0.602 -4.009,-0.679 -3.81,-0.705 -3.611,-0.679 -3.426,-0.602 -3.267,-0.48 -3.144,-0.321 -3.068,-0.135 -3.041,0.064
D0402#1 [mm] "D0402"
  rrect20% 0.5x0.5 smd: 1(-0.463,0) 2(0.463,0)
  silkscreen extent -0.84,-0.39 0.84,0.39, body extent -0.76,-0.38 0.76,0.38, height 3.81
D0402#2 [mm] "D0402"
  rrect50% 0.5x0.5 smd: 1(-0.463,0) 2(0.463,0)
  silkscreen extent -0.84,-0.39 0.84,0.39, body extent -0.76,-0.38 0.76,0.38, height 3.81
DO_214AC_SMA [mm] "DO_214AC_SMA"
  rrect23% 1.77x1.8 smd: 1(-2.042,0) 2(2.042,0)
  silkscreen extent -2.15,-1.35 2.15,1.35, body extent -2.16,-1.4 2.16,1.4, height 3.81
E-13_4X13_3-N100_0_75-TOP [mm] "E-13_4X13_3-N100_0_75-TOP"
  rect 0.75x0.75 smd: 1(-6.025,-5.975) 17(6.025,-5.975) 33(6.025,5.975) 49(-6.025,5.975)
  rect 0.4x0.75 smd: 2(-4.9,-5.975) 3(-4.2,-5.975) 4(-3.5,-5.975) 5(-2.8,-5.975) 6(-2.1,-5.975) 7(-1.4,-5.975) 8(-0.7,-5.975) 9(0,-5.975) 10(0.7,-5.975) 11(1.4,-5.975) 12(2.1,-5.975) 13(2.8,-5.975) 14(3.5,-5.975) 15(4.2,-5.975) 16(4.9,-5.975) 34(4.9,5.975) 35(4.2,5.975) 36(3.5,5.975) 37(2.8,5.975) 38(2.1,5.975) 39(1.4,5.975) 40(0.7,5.975) 41(0,5.975) 42(-0.7,5.975) 43(-1.4,5.975) 44(-2.1,5.975) 45(-2.8,5.975) 46(-3.5,5.975) 47(-4.2,5.975) 48(-4.9,5.975)
  rect 0.75x0.4 smd: 18(6.025,-4.9) 19(6.025,-4.2) 20(6.025,-3.5) 21(6.025,-2.8) 22(6.025,-2.1) 23(6.025,-1.4) 24(6.025,-0.7) 25(6.025,0) 26(6.025,0.7) 27(6.025,1.4) 28(6.025,2.1) 29(6.025,2.8) 30(6.025,3.5) 31(6.025,4.2) 32(6.025,4.9) 50(-6.025,4.9) 51(-6.025,4.2) 52(-6.025,3.5) 53(-6.025,2.8) 54(-6.025,2.1) 55(-6.025,1.4) 56(-6.025,0.7) 57(-6.025,0) 58(-6.025,-0.7) 59(-6.025,-1.4) 60(-6.025,-2.1) 61(-6.025,-2.8) 62(-6.025,-3.5) 63(-6.025,-4.2) 64(-6.025,-4.9)
  rect 1x1 smd: G1(-3.85,-3.85) G2(-2.45,-3.85) G3(-1.05,-3.85) G4(-3.85,-2.45) G5(-2.45,-2.45) G6(-1.05,-2.45) G7(-3.85,-1.05) G8(-2.45,-1.05) G9(-1.05,-1.05) G10(1.05,-3.85) G11(2.45,-3.85) G12(3.85,-3.85) G13(1.05,-2.45) G14(2.45,-2.45) G15(3.85,-2.45) G16(1.05,-1.05) G17(2.45,-1.05) G18(3.85,-1.05) G19(-3.85,1.05) G20(-2.45,1.05) G21(-1.05,1.05) G22(-3.85,2.45) G23(-2.45,2.45) G24(-1.05,2.45) G25(-3.85,3.85) G26(-2.45,3.85) G27(-1.05,3.85) G28(1.05,1.05) G29(2.45,1.05) G30(3.85,1.05) G31(1.05,2.45) G32(2.45,2.45) G33(3.85,2.45) G34(1.05,3.85) G35(2.45,3.85) G36(3.85,3.85)
  silkscreen extent -6.65,-7.24 6.65,6.65, body extent -6.43,-6.38 6.43,6.38, height 3.81
F0603 [mil] "F0603"
  rrect50% 39.36x39.36 smd: 1(-31.5,0) 2(31.5,0)
  silkscreen extent -11,-21 11,21, body extent -40,-20 40,20, height 150
FPC22_0D5_15_4X5_25X2MM_0D5_DX_NPWB [mm] "FPC22_0D5_15_4X5_25X2MM_0D5_DX_NPWB"
  rrect33% 0.3x1.3 smd: 1(5.25,2.967) 2(4.75,2.967) 3(4.25,2.967) 4(3.75,2.967) 5(3.25,2.967) 6(2.75,2.967) 7(2.25,2.967) 8(1.75,2.967) 9(1.25,2.967) 10(0.75,2.967) 11(0.25,2.967) 12(-0.25,2.967) 13(-0.75,2.967) 14(-1.25,2.967) 15(-1.75,2.967) 16(-2.25,2.967) 17(-2.75,2.967) 18(-3.25,2.967) 19(-3.75,2.967) 20(-4.25,2.967) 21(-4.75,2.967) 22(-5.25,2.967)
  rect 1.8x2.2 smd: 23(-7.3,-0.18) 24(7.3,-0.18)
  silkscreen extent -7.69,-2.58 7.69,4.19, body extent -7.75,-2.67 7.75,2.67, height 3.81
FPC40_0D5_25_4X5_25X2MM [mil] "FPC40_0D5_25_4X5_25X2MM"
  rrect33% 11.8x51.18 smd: 1(-383.86,114.31) 2(-364.17,114.31) 3(-344.49,114.31) 4(-324.8,114.31) 5(-305.12,114.31) 6(-285.43,114.31) 7(-265.75,114.31) 8(-246.06,114.31) 9(-226.38,114.31) 10(-206.69,114.31) 11(-187.01,114.31) 12(-167.32,114.31) 13(-147.64,114.31) 14(-127.95,114.31) 15(-108.27,114.31) 16(-88.58,114.31) 17(-68.9,114.31) 18(-49.21,114.31) 19(-29.53,114.31) 20(-9.84,114.31) 21(9.84,114.31) 22(29.53,114.31) 23(49.21,114.31) 24(68.9,114.31) 25(88.58,114.31) 26(108.27,114.31) 27(127.95,114.31) 28(147.64,114.31) 29(167.32,114.31) 30(187.01,114.31) 31(206.69,114.31) 32(226.38,114.31) 33(246.06,114.31) 34(265.75,114.31) 35(285.43,114.31) 36(305.12,114.31) 37(324.8,114.31) 38(344.49,114.31) 39(364.17,114.31) 40(383.86,114.31)
  rect 90.55x125.98 smd: 41(-468.5,45.41) 42(468.5,45.41)
  silkscreen extent -500,-104 500,157, body extent -500,-103 500,103, height 150